# Altium PCB RFMC.PcbDoc (part 3 of 5)
Units mm, origin at the board's own origin, x right, y up, seen from the top; angles counter-clockwise.
Board outline 79.47 x 143.38 mm, 8 copper layers (Top Layer, Layer 1, Layer 2, Layer 3, Layer 4, Layer 5, Layer 6, Bottom Layer), stack 1.644 mm thick; 295 components, 245 nets, 1444 pads, 1952 vias.
Unrouted connection lines stored in the file: 1.
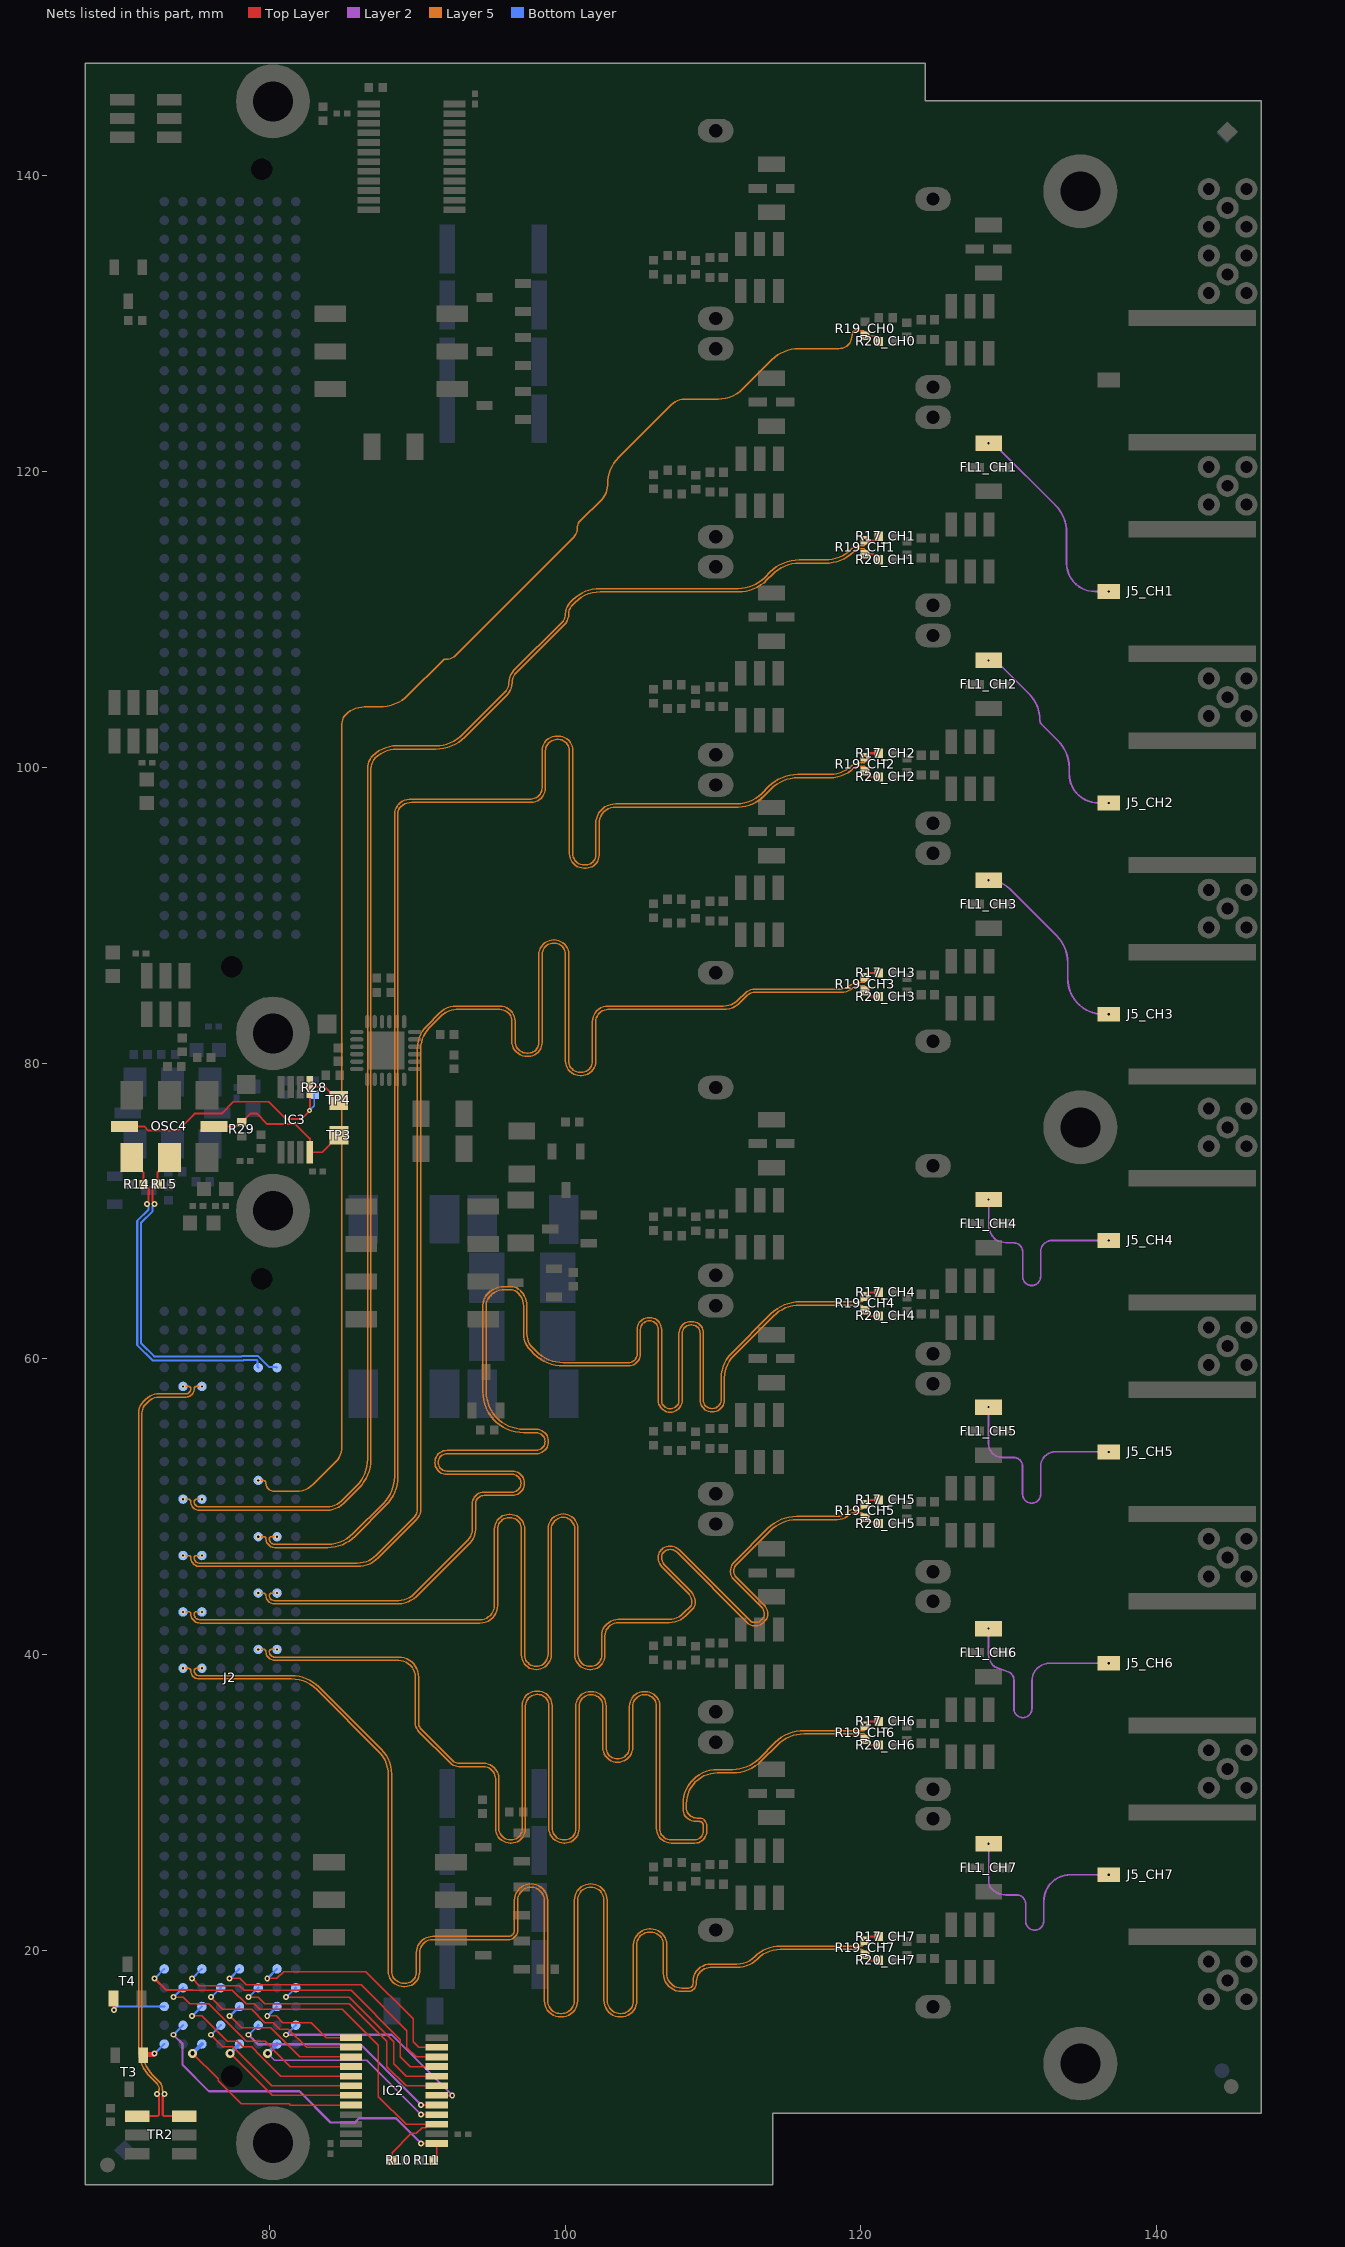
[diagram p9: the nets of this part, all layers, seen from the top]

## Via types
v1: diameter 0.48, hole 0.25, Top Layer to Bottom Layer, tented both sides, 1389 vias
v2: diameter 0.6, hole 0.3, Top Layer to Bottom Layer, tented both sides, 219 vias
v3: diameter 0.5, hole 0.2, Top Layer to Bottom Layer, tented both sides, 162 vias
v4: diameter 0.35, hole 0.15, Top Layer to Bottom Layer, tented both sides, 106 vias
v5: diameter 0.4, hole 0.2, Top Layer to Bottom Layer, tented both sides, 67 vias
v6: diameter 0.5, hole 0.25, Top Layer to Bottom Layer, tented both sides, 9 vias

## Nets (pads, with @x,y where several pads share a name; then routed paths per layer and width w, separated by ;. In a path a pad name is that pad's centre, name@x,y a point inside that pad or via, vN(x,y) a via of type N, cw(c..) or ccw(c..) an arc to the next point about the centre after c; other vN are vias at no path point) (continued)
DAC_CH0_P: J2.c10 R19_CH0.1 R20_CH0.1 | length 105.1
  Top Layer w0.14: v4(120.275,129.155) 120.925,129.155 120.99,129.09 121.01,129.09 121.23,128.87 R20_CH0.1@121.23,128.85
  Layer 5 w0.093: v4(79.262,51.796) 79.59,51.796 cw(c79.59,51.6) 79.786,51.6 ccw(c80.334,51.6) 80.334,51.052 81.826,51.052 ccw(c81.826,52.661) 82.964,51.523 84.506,53.065 ccw(c83.498,54.073) 84.923,54.073 84.923,102.942 cw(c85.783,102.942) 85.175,103.55 cw(c86.442,102.283) 86.442,104.075 87.447,104.075 ccw(c87.447,106.836) 89.399,104.884 91.72,107.205 cw(c91.95,106.975) 91.95,107.3 91.952,107.3 ccw(c91.952,108.238) 92.615,107.575 100.583,115.542 ccw(c100.002,116.123) 100.823,116.123 100.823,116.125 cw(c101.603,116.125) 101.051,116.676 102.467,118.092 ccw(c101.485,119.073) 102.873,119.073 102.873,119.146 cw(c105.413,119.146) 103.617,120.942 107.179,124.504 cw(c108.075,123.608) 108.075,124.875 110.34,124.875 ccw(c110.34,127.229) 112.005,125.564 113.985,127.545 cw(c115.781,125.749) 115.781,128.288 118.488,128.288 ccw(c118.488,129.2) 119.4,129.2 cw(c119.713,129.2) 119.713,129.513 120.075,129.513 cw(c120.075,129.313) 120.275,129.313 v4(120.275,129.155)
DAC_CH1: FL1_CH1.3 J5_CH1.1 | length 14.3
  Layer 2 w0.118: v4(128.63,121.89) cw(c128.63,121.117) 129.176,121.664 133.156,117.684 cw(c131.36,115.888) 133.9,115.888 133.9,113.781 ccw(c135.806,113.781) 135.806,111.875 v4(136.75,111.875)
DAC_CH1_N: J2.f11 R17_CH1.1 R19_CH1.2 | length 102.6
  Top Layer w0.14: v4(120.28,115.335) 120.908,115.335 120.948,115.375 120.99,115.375 121.21,115.595 R17_CH1.1@121.21,115.615
  Layer 5 w0.093: v4(75.452,50.526) 75.105,50.526 ccw(c75.105,50.35) 74.929,50.35 ccw(c75.279,50.35) 75.279,50 83.909,50 ccw(c83.909,51.366) 84.875,50.4 85.906,51.431 ccw(c84.11,53.227) 86.65,53.227 86.65,99.897 cw(c87.902,99.897) 87.017,100.782 87.018,100.783 cw(c88.623,99.179) 88.623,101.448 91.271,101.448 ccw(c91.271,103.988) 93.067,102.192 95.935,105.06 ccw(c95.295,105.7) 96.2,105.7 96.2,105.702 cw(c97.38,105.702) 96.545,106.536 99.788,109.779 ccw(c99.217,110.35) 100.025,110.35 100.025,110.352 cw(c101.144,110.352) 100.353,111.143 100.52,111.311 cw(c102.361,109.47) 102.361,112.073 111.696,112.073 ccw(c111.696,114.613) 113.492,112.817 113.873,113.198 cw(c115.825,111.246) 115.825,114.006 117.589,114.006 ccw(c117.589,116.486) 119.342,114.733 119.418,114.809 cw(c119.824,114.403) 119.824,114.977 120.187,114.977 ccw(c120.187,115.07) 120.253,115.004 ccw(c120.187,115.07) 120.28,115.07 v4(120.28,115.335)
DAC_CH1_P: J2.g11 R19_CH1.1 R20_CH1.1 | length 103
  Top Layer w0.14: v4(120.28,114.395) 120.83,114.395 120.97,114.255 120.99,114.255 121.21,114.035 R20_CH1.1@121.21,114.015
  Layer 5 w0.093: v4(74.182,50.526) 74.53,50.526 cw(c74.53,50.35) 74.706,50.35 ccw(c75.279,50.35) 75.279,49.777 83.913,49.777 ccw(c83.913,51.357) 85.03,50.24 86.064,51.274 ccw(c84.112,53.226) 86.873,53.226 86.873,99.896 cw(c87.904,99.896) 87.175,100.625 cw(c88.624,99.176) 88.624,101.225 91.272,101.225 ccw(c91.272,103.986) 93.224,102.034 96.093,104.903 ccw(c95.297,105.699) 96.423,105.699 cw(c97.384,105.7) 96.704,106.379 99.948,109.623 ccw(c99.223,110.347) 100.248,110.347 100.248,110.35 cw(c101.149,110.35) 100.512,110.987 100.675,111.15 cw(c102.365,109.46) 102.365,111.85 111.697,111.85 ccw(c111.697,114.611) 113.649,112.659 114.03,113.04 cw(c115.826,111.243) 115.826,113.783 117.59,113.783 ccw(c117.59,116.483) 119.499,114.574 119.575,114.65 cw(c119.825,114.4) 119.825,114.754 120.187,114.754 cw(c120.187,114.661) 120.253,114.726 cw(c120.187,114.661) 120.28,114.661 v4(120.28,114.395)
DAC_CH2: FL1_CH2.3 J5_CH2.1 | length 13.7
  Layer 2 w0.118: v4(128.63,107.215) cw(c128.63,106.044) 129.458,106.872 131.346,104.984 cw(c129.55,103.188) 132.09,103.188 ccw(c132.519,103.188) 132.216,102.884 133.331,101.769 cw(c131.535,99.973) 134.075,99.973 134.075,99.563 ccw(c136.053,99.563) 135.122,97.818 ccw(c136.053,99.563) 136.053,97.585 v4(136.75,97.585)
DAC_CH2_N: J2.b13 R17_CH2.1 R19_CH2.2 | length 105.6
  Top Layer w0.14: v4(120.28,100.66) 120.3,100.66 120.58,100.94 R17_CH2.1@121.21,100.94
  Layer 5 w0.093: v4(80.532,47.986) 80.145,47.986 ccw(c80.145,47.85) 80.009,47.85 ccw(c80.384,47.85) 80.384,47.475 83.95,47.475 ccw(c83.95,49.889) 85.657,48.182 87.731,50.256 ccw(c85.935,52.052) 88.475,52.052 88.475,96.84 cw(c89.382,96.84) 88.741,97.481 88.743,97.483 cw(c89.623,96.603) 89.623,97.848 97.698,97.848 ccw(c97.698,98.6) 98.45,98.6 98.45,101.098 cw(c99.45,101.098) 99.45,102.098 99.55,102.098 cw(c99.55,101.125) 100.523,101.125 100.523,94.152 ccw(c101.275,94.152) 101.275,93.4 101.425,93.4 ccw(c101.425,94.05) 102.075,94.05 102.075,96.175 cw(c103.425,96.175) 103.425,97.525 111.621,97.525 ccw(c111.621,99.887) 113.292,98.217 113.773,98.698 cw(c115.725,96.746) 115.725,99.506 117.916,99.506 ccw(c117.916,101.559) 119.367,100.108 119.369,100.109 cw(c119.833,99.645) 119.833,100.302 120.187,100.302 ccw(c120.187,100.395) 120.253,100.329 ccw(c120.187,100.395) 120.28,100.395 v4(120.28,100.66)
DAC_CH2_P: J2.c13 R19_CH2.1 R20_CH2.1 | length 107.1
  Top Layer w0.14: R19_CH2.1@120.3,99.62 120.58,99.34 R20_CH2.1@121.21,99.34
  Layer 5 w0.093: v4(79.262,47.986) 79.65,47.986 cw(c79.65,47.85) 79.786,47.85 ccw(c80.384,47.85) 80.384,47.252 83.953,47.252 ccw(c83.953,49.882) 85.813,48.022 87.889,50.099 ccw(c85.937,52.051) 88.698,52.051 88.698,96.837 cw(c89.388,96.837) 88.9,97.325 cw(c89.624,96.601) 89.624,97.625 97.698,97.625 ccw(c97.698,98.6) 98.673,98.6 98.673,101.098 cw(c99.45,101.098) 99.45,101.875 99.55,101.875 cw(c99.55,101.125) 100.3,101.125 100.3,94.152 ccw(c101.275,94.152) 101.275,93.177 101.425,93.177 ccw(c101.425,94.05) 102.298,94.05 102.298,96.175 cw(c103.425,96.175) 103.425,97.302 111.714,97.302 ccw(c111.714,99.664) 112.453,97.421 ; 113.384,97.994 cw(c111.714,99.664) 112.453,97.421 ; 119.524,99.949 cw(c117.917,101.557) 117.917,99.283 115.726,99.283 ccw(c115.726,96.743) 113.93,98.54 113.448,98.058 cw(c111.498,100.008) 112.453,97.421 ; 119.525,99.95 cw(c119.835,99.64) 119.835,100.079 120.187,100.079 cw(c120.187,99.986) 120.253,100.051 cw(c120.187,99.986) 120.28,99.986 v4(120.28,99.72)
DAC_CH3: FL1_CH3.3 J5_CH3.1 | length 13.3
  Layer 2 w0.118: v4(128.63,92.365) cw(c128.63,90.349) 130.055,91.775 133.231,88.599 cw(c131.435,86.803) 133.975,86.803 133.975,85.717 ccw(c136.397,85.717) 136.397,83.295 v4(136.75,83.295)
DAC_CH3_N: J2.f14 R17_CH3.1 R19_CH3.2 | length 103.5
  Top Layer w0.14: v4(120.28,85.81) 120.3,85.81 120.58,86.09 R17_CH3.1@121.21,86.09
  Layer 5 w0.093: v4(75.452,46.716) 75.07,46.716 ccw(c75.07,46.575) 74.929,46.575 ccw(c75.304,46.575) 75.304,46.2 85.958,46.2 ccw(c85.958,47.992) 87.225,46.725 89.795,49.295 ccw(c89.24,49.85) 90.025,49.85 90.025,80.979 cw(c92.226,80.979) 90.67,82.535 91.512,83.378 cw(c92.648,82.242) 92.648,83.848 95.6,83.848 cw(c95.6,82.825) 96.623,82.825 96.623,81.477 ccw(c97.425,81.477) 97.425,80.675 97.525,80.675 ccw(c97.525,81.375) 98.225,81.375 98.225,87.323 cw(c99.225,87.323) 99.225,88.323 99.275,88.323 cw(c99.275,87.35) 100.248,87.35 100.248,80.152 ccw(c101.025,80.152) 101.025,79.375 101.1,79.375 ccw(c101.1,80.125) 101.85,80.125 101.85,82.798 cw(c102.9,82.798) 102.9,83.848 110.694,83.848 ccw(c110.694,85.269) 111.699,84.264 112.168,84.733 cw(c112.827,84.074) 112.827,85.007 118.696,85.007 ccw(c118.696,85.779) 119.242,85.233 ; 119.243,85.233 cw(c119.77,84.707) 119.77,85.452 120.187,85.452 ccw(c120.187,85.544) 120.253,85.479 ccw(c120.187,85.544) 120.28,85.544 v4(120.28,85.81)
DAC_CH3_P: J2.g14 R19_CH3.1 R20_CH3.1 | length 103.8
  Top Layer w0.14: R19_CH3.1@120.3,84.77 120.58,84.49 R20_CH3.1@121.21,84.49
  Layer 5 w0.093: v4(74.182,46.716) 74.565,46.716 cw(c74.565,46.575) 74.706,46.575 ccw(c75.304,46.575) 75.304,45.977 85.961,45.977 ccw(c85.961,47.983) 87.38,46.565 89.954,49.139 ccw(c89.244,49.848) 90.248,49.848 90.248,80.975 cw(c92.235,80.975) 90.83,82.38 91.668,83.218 cw(c92.65,82.237) 92.65,83.625 95.6,83.625 cw(c95.6,82.825) 96.4,82.825 96.4,81.477 ccw(c97.425,81.477) 97.425,80.452 97.525,80.452 ccw(c97.525,81.375) 98.448,81.375 98.448,87.323 cw(c99.225,87.323) 99.225,88.1 99.275,88.1 cw(c99.275,87.35) 100.025,87.35 100.025,80.152 ccw(c101.025,80.152) 101.025,79.152 101.1,79.152 ccw(c101.1,80.125) 102.073,80.125 102.073,82.798 cw(c102.9,82.798) 102.9,83.625 110.697,83.625 ccw(c110.697,85.261) 111.854,84.104 112.325,84.575 cw(c112.828,84.072) 112.828,84.784 118.697,84.784 ccw(c118.697,85.776) 119.399,85.074 ; 119.4,85.075 cw(c119.771,84.704) 119.771,85.229 120.187,85.229 cw(c120.187,85.136) 120.253,85.201 cw(c120.187,85.136) 120.28,85.136 v4(120.28,84.87)
DAC_CH4: FL1_CH4.3 J5_CH4.1 | length 15.4
  Layer 2 w0.118: v4(128.63,70.78) 128.63,69.068 ccw(c129.893,69.068) 129,68.175 ccw(c129.785,68.96) 129.246,67.989 ccw(c129.785,68.96) 129.305,67.959 129.785,67.85 130.321,67.85 cw(c130.321,67.241) 130.93,67.241 130.93,65.574 ccw(c131.539,65.574) 131.539,64.965 ccw(c131.539,65.574) 132.148,65.574 132.148,67.241 cw(c132.918,67.241) 132.918,68.011 v4(136.75,68.011)
DAC_CH4_N: J2.b16 R17_CH4.1 R19_CH4.2 | length 103.6
  Top Layer w0.14: v4(120.28,64.225) 120.3,64.225 120.58,64.505 R17_CH4.1@121.21,64.505
  Layer 5 w0.093: v4(80.532,44.176) 80.185,44.176 ccw(c80.185,44) 80.009,44 ccw(c80.334,44) 80.334,43.675 88.749,43.675 ccw(c88.749,45.126) 89.775,44.1 93.424,47.749 ccw(c92.699,48.475) 93.725,48.475 93.725,50.198 cw(c94.525,50.198) 94.525,50.998 96.423,50.998 ccw(c96.423,51.6) 97.025,51.6 ccw(c96.425,51.6) 96.425,52.2 92.002,52.2 cw(c92.002,53) 91.202,53 cw(c92.025,53) 92.025,53.823 98.048,53.823 ccw(c98.048,54.425) 98.65,54.425 ccw(c98.05,54.425) 98.05,55.025 97.213,55.025 cw(c97.213,57.788) 94.45,57.788 94.45,63.644 cw(c95.526,63.644) 94.765,64.406 94.806,64.446 cw(c95.897,63.355) 95.897,64.898 96.32,64.898 cw(c96.32,64) 96.955,64.635 97.006,64.584 cw(c96,63.578) 97.423,63.578 97.423,61.685 ccw(c98.71,61.685) 97.8,60.775 98.081,60.494 ccw(c99.877,62.29) 99.877,59.75 104.275,59.75 ccw(c104.275,60.35) 104.875,60.35 104.875,61.998 cw(c105.675,61.998) 105.675,62.798 105.725,62.798 cw(c105.725,62) 106.523,62 106.523,57.202 ccw(c107.1,57.202) 107.1,56.625 ccw(c107.1,57.225) 107.7,57.225 107.7,61.723 cw(c108.5,61.723) 108.5,62.523 108.575,62.523 cw(c108.575,61.75) 109.348,61.75 109.348,57.225 ccw(c109.923,57.225) 109.923,56.65 109.95,56.65 ccw(c109.95,57.25) 110.55,57.25 110.55,58.729 cw(c112.871,58.729) 111.23,60.37 113.918,63.058 cw(c115.87,61.106) 115.87,63.866 119.922,63.866 ccw(c119.922,64.225) v4(120.28,64.225)
DAC_CH4_P: J2.c16 R19_CH4.1 R20_CH4.1 | length 104
  Top Layer w0.14: R19_CH4.1@120.28,63.185 120.3,63.185 120.58,62.905 R20_CH4.1@121.21,62.905
  Layer 5 w0.093: v4(79.262,44.176) 79.61,44.176 cw(c79.61,44) 79.786,44 ccw(c80.334,44) 80.334,43.452 88.75,43.452 ccw(c88.75,45.124) 89.932,43.942 93.584,47.593 ccw(c92.704,48.473) 93.948,48.473 93.948,50.198 cw(c94.525,50.198) 94.525,50.775 96.423,50.775 ccw(c96.423,51.6) 97.248,51.6 ccw(c96.425,51.6) 96.425,52.423 92.002,52.423 cw(c92.002,53) 91.425,53 cw(c92.025,53) 92.025,53.6 98.048,53.6 ccw(c98.048,54.425) 98.873,54.425 ccw(c98.05,54.425) 98.05,55.248 97.213,55.248 cw(c97.213,57.788) 94.673,57.788 94.673,63.642 cw(c95.533,63.642) 94.925,64.25 94.961,64.286 cw(c95.9,63.347) 95.9,64.675 96.317,64.675 cw(c96.317,63.992) 96.8,64.475 96.846,64.429 cw(c95.993,63.575) 97.2,63.575 97.2,61.685 ccw(c98.709,61.685) 97.642,60.618 97.924,60.336 ccw(c99.876,62.288) 99.876,59.527 104.275,59.527 ccw(c104.275,60.35) 105.098,60.35 105.098,61.998 cw(c105.675,61.998) 105.675,62.575 105.725,62.575 cw(c105.725,62) 106.3,62 106.3,57.202 ccw(c107.1,57.202) 107.1,56.402 ccw(c107.1,57.225) 107.923,57.225 107.923,61.723 cw(c108.5,61.723) 108.5,62.3 108.575,62.3 cw(c108.575,61.75) 109.125,61.75 109.125,57.225 ccw(c109.923,57.225) 109.923,56.427 109.95,56.427 ccw(c109.95,57.25) 110.773,57.25 110.773,58.725 cw(c112.881,58.725) 111.39,60.215 114.075,62.9 cw(c115.871,61.103) 115.871,63.643 119.922,63.643 cw(c119.922,63.285) v4(120.28,63.285)
DAC_CH5: FL1_CH5.3 J5_CH5.1 | length 16.5
  Layer 2 w0.118: v4(128.625,56.75) 128.625,54.275 ccw(c129.555,54.275) 129.555,53.345 129.589,53.345 130.318,53.345 cw(c130.318,52.736) 130.927,52.736 130.927,50.866 ccw(c131.536,50.866) 131.536,50.257 ccw(c131.536,50.866) 132.145,50.866 132.145,52.736 cw(c133.13,52.736) 133.13,53.721 v4(136.75,53.721)
DAC_CH5_N: J2.f17 R17_CH5.1 R19_CH5.2 | length 101.9
  Top Layer w0.14: R19_CH5.2@120.275,50.395 R19_CH5.2@120.295,50.395 ; R19_CH5.2@120.295,50.195 120.575,50.475 R17_CH5.1@121.205,50.475
  Layer 5 w0.093: v4(75.452,42.906) 75.06,42.906 ccw(c75.06,42.775) 74.929,42.775 ccw(c75.329,42.775) 75.329,42.375 94.25,42.375 ccw(c94.25,43.35) 95.225,43.35 95.225,48.498 cw(c96.225,48.498) 96.225,49.498 96.275,49.498 cw(c96.275,48.5) 97.273,48.5 97.273,40.002 ccw(c98.05,40.002) 98.05,39.225 ccw(c98.05,40.025) 98.85,40.025 98.85,48.498 cw(c99.875,48.498) 99.875,49.523 cw(c99.875,48.525) 100.873,48.525 100.873,40.025 ccw(c101.673,40.025) 101.673,39.225 101.725,39.225 ccw(c101.725,39.975) 102.475,39.975 102.475,41.273 cw(c103.6,41.273) 103.6,42.398 107.029,42.398 ccw(c107.029,43.771) 108,42.8 108.487,43.287 ccw(c108.273,43.5) 108.575,43.5 ccw(c107.549,43.5) 108.274,44.226 106.55,45.95 cw(c107.149,46.549) 106.302,46.549 106.302,46.589 cw(c107.035,46.589) 106.517,47.107 106.519,47.109 cw(c107.095,46.534) 107.095,47.348 107.102,47.348 cw(c107.102,46.465) 107.726,47.089 112.538,42.278 ccw(c112.725,42.465) 112.725,42.2 112.923,42.2 ccw(c112.923,42.627) 113.225,42.325 113.351,42.451 ccw(c113.053,42.75) 113.475,42.75 ccw(c112.811,42.75) 113.281,43.219 111.389,45.111 cw(c111.902,45.623) 111.177,45.623 111.177,45.627 cw(c112.12,45.627) 111.453,46.293 113.713,48.553 cw(c115.665,46.601) 115.665,49.361 118.413,49.361 ccw(c118.413,50.287) 119.067,49.633 cw(c119.558,49.143) 119.558,49.836 119.916,49.836 ccw(c119.916,50.195) v4(120.275,50.195)
DAC_CH5_P: J2.g17 R19_CH5.1 R20_CH5.1 | length 102.2
  Top Layer w0.14: v4(120.275,49.255) 120.555,48.975 R20_CH5.1@121.185,48.975
  Layer 5 w0.093: v4(74.182,42.906) 74.575,42.906 cw(c74.575,42.775) 74.706,42.775 ccw(c75.329,42.775) 75.329,42.152 94.25,42.152 ccw(c94.25,43.35) 95.448,43.35 95.448,48.498 cw(c96.225,48.498) 96.225,49.275 96.275,49.275 cw(c96.275,48.5) 97.05,48.5 97.05,40.002 ccw(c98.05,40.002) 98.05,39.002 ccw(c98.05,40.025) 99.073,40.025 99.073,48.498 cw(c99.875,48.498) 99.875,49.3 cw(c99.875,48.525) 100.65,48.525 100.65,40.025 ccw(c101.673,40.025) 101.673,39.002 101.725,39.002 ccw(c101.725,39.975) 102.698,39.975 102.698,41.273 cw(c103.6,41.273) 103.6,42.175 107.033,42.175 ccw(c107.033,43.762) 108.155,42.64 108.646,43.13 ccw(c108.278,43.498) 108.798,43.498 108.798,43.503 ccw(c107.555,43.503) 108.434,44.381 106.709,46.107 cw(c107.152,46.55) 106.525,46.55 106.525,46.588 cw(c107.037,46.588) 106.675,46.95 cw(c107.097,46.528) 107.097,47.125 107.1,47.125 cw(c107.1,46.461) 107.569,46.931 112.381,42.119 ccw(c112.724,42.461) 112.724,41.977 112.925,41.977 ccw(c112.925,42.622) 113.381,42.166 113.51,42.295 ccw(c113.057,42.748) 113.698,42.748 113.698,42.752 ccw(c112.817,42.752) 113.44,43.375 111.548,45.267 ; 111.548,45.267 cw(c111.906,45.625) 111.4,45.625 cw(c112.124,45.625) 111.612,46.137 113.87,48.395 cw(c115.666,46.598) 115.666,49.138 118.414,49.138 ccw(c118.414,50.285) 119.224,49.474 ; 119.225,49.475 cw(c119.559,49.141) 119.559,49.613 119.917,49.613 cw(c119.917,49.255) v4(120.275,49.255)
DAC_CH6: FL1_CH6.3 J5_CH6.1 | length 16
  Layer 2 w0.118: v4(128.625,41.775) 128.625,40.06 ccw(c129.735,40.06) 128.95,39.275 ccw(c129.988,40.313) 128.99,39.236 ccw(c129.988,40.313) 129.049,39.184 129.937,38.864 cw(c129.73,38.291) 130.339,38.291 130.339,36.366 ccw(c130.948,36.366) 130.948,35.757 ccw(c130.948,36.366) 131.557,36.366 131.557,38.236 cw(c132.752,38.236) 132.752,39.431 v4(136.75,39.431)
DAC_CH6_N: J2.b19 R17_CH6.1 R19_CH6.2 | length 103.3
  Top Layer w0.14: R19_CH6.2@120.275,35.22 120.295,35.22 120.575,35.5 R17_CH6.1@121.205,35.5
  Layer 5 w0.093: v4(80.532,40.366) 80.15,40.366 ccw(c80.15,40.225) 80.009,40.225 ccw(c80.384,40.225) 80.384,39.85 88.748,39.85 cw(c88.748,38.5) 90.098,38.5 90.098,35.402 ccw(c90.702,35.402) 90.275,34.975 92.398,32.852 ccw(c92.825,33.279) 92.825,32.675 94.473,32.675 cw(c94.473,31.625) 95.523,31.625 95.523,28.277 ccw(c96.3,28.277) 96.3,27.5 96.35,27.5 ccw(c96.35,28.25) 97.1,28.25 97.1,36.55 cw(c98.098,36.55) 98.098,37.548 98.15,37.548 cw(c98.15,36.575) 99.123,36.575 99.123,28.3 ccw(c99.923,28.3) 99.923,27.5 99.975,27.5 ccw(c99.975,28.25) 100.725,28.25 100.725,36.525 cw(c101.723,36.525) 101.723,37.523 101.8,37.523 cw(c101.8,36.55) 102.773,36.55 102.773,33.748 ccw(c103.554,33.748) 103.554,32.966 ccw(c103.554,33.762) 104.35,33.762 104.35,36.523 cw(c105.35,36.523) 105.35,37.523 105.425,37.523 cw(c105.425,36.55) 106.398,36.55 106.398,28.277 ccw(c107.175,28.277) 107.175,27.5 108.775,27.5 ccw(c108.775,28.075) 109.35,28.075 109.35,28.458 ccw(c109.058,28.458) 109.058,28.75 108.816,28.75 cw(c108.816,29.591) 107.975,29.591 107.975,29.925 cw(c110.3,29.925) 110.3,32.25 111.323,32.25 ccw(c111.323,34.79) 113.119,32.994 114.203,34.078 cw(c116.155,32.126) 116.155,34.887 120.182,34.887 ccw(c120.182,34.98) 120.248,34.914 ccw(c120.182,34.98) 120.275,34.98 v4(120.275,35.27)
DAC_CH6_P: J2.c19 R19_CH6.1 R20_CH6.1 | length 103.6
  Top Layer w0.14: R19_CH6.1@120.275,34.18 120.295,34.18 120.575,33.9 R20_CH6.1@121.205,33.9
  Layer 5 w0.093: v4(79.262,40.366) 79.645,40.366 cw(c79.645,40.225) 79.786,40.225 ccw(c80.384,40.225) 80.384,39.627 88.748,39.627 cw(c88.748,38.5) 89.875,38.5 89.875,35.4 ccw(c90.697,35.4) 90.116,34.819 92.242,32.693 ccw(c92.823,33.274) 92.823,32.452 94.473,32.452 cw(c94.473,31.625) 95.3,31.625 95.3,28.277 ccw(c96.3,28.277) 96.3,27.277 96.35,27.277 ccw(c96.35,28.25) 97.323,28.25 97.323,36.55 cw(c98.098,36.55) 98.098,37.325 98.15,37.325 cw(c98.15,36.575) 98.9,36.575 98.9,28.3 ccw(c99.923,28.3) 99.923,27.277 99.975,27.277 ccw(c99.975,28.25) 100.948,28.25 100.948,36.525 cw(c101.723,36.525) 101.723,37.3 101.8,37.3 cw(c101.8,36.55) 102.55,36.55 102.55,33.748 ccw(c103.554,33.748) 103.554,32.743 ccw(c103.554,33.762) 104.573,33.762 104.573,36.523 cw(c105.35,36.523) 105.35,37.3 105.425,37.3 cw(c105.425,36.55) 106.175,36.55 106.175,28.277 ccw(c107.175,28.277) 107.175,27.277 108.775,27.277 ccw(c108.775,28.075) 109.573,28.075 109.573,28.458 ccw(c109.058,28.458) 109.058,28.973 108.908,28.973 cw(c108.908,29.683) 108.198,29.683 108.198,29.925 cw(c110.3,29.925) 110.3,32.027 111.324,32.027 ccw(c111.324,34.788) 113.276,32.836 114.36,33.92 cw(c116.156,32.124) 116.156,34.664 120.182,34.664 cw(c120.182,34.571) 120.248,34.636 cw(c120.182,34.571) 120.275,34.571 v4(120.275,34.28)
DAC_CH7: FL1_CH7.3 J5_CH7.1 | length 15.7
  Layer 2 w0.118: v4(128.63,27.23) 128.63,24.741 ccw(c129.466,24.741) 128.875,24.15 ccw(c129.78,25.055) 129.78,23.775 130.524,23.775 cw(c130.524,23.166) 131.133,23.166 131.133,22.002 ccw(c131.742,22.002) 131.742,21.393 ccw(c131.742,22.002) 132.351,22.002 132.351,23.317 cw(c134.175,23.317) 134.175,25.141 v4(136.75,25.141)
DAC_CH7_N: J2.f20 R17_CH7.1 R19_CH7.2 | length 102.6
  Top Layer w0.14: v4(120.28,20.675) 120.3,20.675 120.58,20.955 R17_CH7.1@121.21,20.955
  Layer 5 w0.093: v4(75.452,39.096) 75.1,39.096 ccw(c75.1,38.925) 74.929,38.925 ccw(c75.254,38.925) 75.254,38.6 81.51,38.6 cw(c81.51,35.993) 83.354,37.836 87.572,33.618 cw(c85.88,31.926) 88.273,31.926 88.273,18.627 ccw(c89.1,18.627) 89.1,17.8 89.175,17.8 ccw(c89.175,18.575) 89.95,18.575 89.95,19.873 cw(c91.05,19.873) 90.233,20.61 cw(c91.05,19.873) 91.05,20.973 96.173,20.973 ccw(c96.173,21.375) 96.575,21.375 96.575,23.398 cw(c97.7,23.398) 97.7,24.523 cw(c97.7,23.4) 98.823,23.4 98.823,16.627 ccw(c99.7,16.627) 99.7,15.75 99.75,15.75 ccw(c99.75,16.625) 100.625,16.625 100.625,23.425 cw(c101.723,23.425) 101.723,24.523 101.75,24.523 cw(c101.75,23.425) 102.848,23.425 102.848,16.652 ccw(c103.75,16.652) 103.75,15.75 ccw(c103.75,16.625) 104.625,16.625 104.625,20.4 cw(c105.698,20.4) 105.698,21.473 105.8,21.473 cw(c105.8,20.4) 106.873,20.4 106.873,18.477 ccw(c107.875,18.477) 107.875,17.475 108.325,17.475 ccw(c108.325,17.8) 108.65,17.8 108.65,17.923 cw(c109.825,17.923) 109.825,19.098 111.613,19.098 ccw(c111.613,20.812) 112.825,19.6 112.828,19.603 cw(c114.551,17.881) 114.551,20.316 119.922,20.316 ccw(c119.922,20.675) v4(120.28,20.675)
DAC_CH7_P: J2.g20 R19_CH7.1 R20_CH7.1 | length 103
  Top Layer w0.14: R19_CH7.1@120.28,19.635 120.3,19.635 120.58,19.355 R20_CH7.1@121.21,19.355
  Layer 5 w0.093: v4(74.182,39.096) 74.535,39.096 cw(c74.535,38.925) 74.706,38.925 ccw(c75.254,38.925) 75.254,38.377 81.505,38.377 cw(c81.505,35.98) 83.2,37.675 87.412,33.463 cw(c85.873,31.923) 88.05,31.923 88.05,18.627 ccw(c89.1,18.627) 89.1,17.577 89.175,17.577 ccw(c89.175,18.575) 90.173,18.575 90.173,19.873 cw(c91.05,19.873) 90.315,20.351 cw(c91.05,19.873) 91.05,20.75 96.173,20.75 ccw(c96.173,21.375) 96.798,21.375 96.798,23.398 cw(c97.7,23.398) 97.7,24.3 cw(c97.7,23.4) 98.6,23.4 98.6,16.627 ccw(c99.7,16.627) 99.7,15.527 99.75,15.527 ccw(c99.75,16.625) 100.848,16.625 100.848,23.425 cw(c101.723,23.425) 101.723,24.3 101.75,24.3 cw(c101.75,23.425) 102.625,23.425 102.625,16.652 ccw(c103.75,16.652) 103.75,15.527 ccw(c103.75,16.625) 104.848,16.625 104.848,20.4 cw(c105.698,20.4) 105.698,21.25 105.8,21.25 cw(c105.8,20.4) 106.65,20.4 106.65,18.477 ccw(c107.875,18.477) 107.875,17.252 108.325,17.252 ccw(c108.325,17.8) 108.873,17.8 108.873,17.923 cw(c109.825,17.923) 109.825,18.875 111.614,18.875 ccw(c111.614,20.809) 112.982,19.442 ; 112.983,19.442 cw(c114.555,17.87) 114.555,20.094 119.922,20.094 cw(c119.922,19.735) v4(120.28,19.735)
DAC_OSC_I2C_SCL: IC3.5 OSC4.8 R28.1 TP4.1 | length 19.1
  Top Layer w0.127: OSC4.8@70.398,75.725 71.545,75.725 71.833,75.437 73.812,75.437 74.962,76.586 76.781,76.586 77.583,77.388 79.962,77.388 81.125,76.225 82.2,76.225 v4@82.75,76.775 ; v4@82.75,76.8 IC3.5@82.75,78.375 83.8,78.375 TP4.1@84.7,77.475
  Bottom Layer w0.127: v4(82.725,76.8) 83.05,77.125 R28.1@83.05,77.875
DAC_OSC_I2C_SDA: IC3.4 OSC4.7 R29.1 TP3.1 | length 11.5
  Top Layer w0.127: OSC4.7@76.275,75.725 77.705,75.725 77.755,75.775 77.904,75.775 77.922,75.793 R29.1@77.922,75.941 ; R29.1@78.15,75.995 78.17,75.995 78.397,76.221 78.397,76.241 78.755,76.6 79.15,76.6 79.875,75.875 81.775,75.875 82.75,74.9 IC3.4@82.75,73.975 ; IC3.4@82.912,73.288 82.75,73.45 IC3.4@82.75,73.975 ; TP3.1@84.725,75.125 83.575,73.975 IC3.4@82.75,73.975
DACIO_0: IC2.8 J2.a37 | length 14.2
  Top Layer w0.1: v5(81.141,16.863) 85.412,16.863 88.425,13.85 88.425,12.375 89.275,11.525 IC2.8@91.325,11.525
  Bottom Layer w0.15: v5@81.16,16.863 J2.a37@81.802,17.506
DACIO_1: IC2.6 J2.a39 | length 14.9
  Top Layer w0.127: IC2.6@91.325,10.225 v5(92.375,10.225)
  Layer 2 w0.15: v5(81.141,14.323) 88.277,14.323 v5(92.375,10.225)
  Bottom Layer w0.15: v5@81.16,14.323 J2.a39@81.802,14.966
DACIO_2: IC2.11 J2.b36 | length 15.6
  Top Layer w0.1: v5(79.871,18.133) 80.523,18.133 80.981,18.591 86.534,18.591 89.725,15.4 89.725,13.85 90.1,13.475 IC2.11@91.325,13.475
  Bottom Layer w0.15: v5@79.89,18.133 J2.b36@80.532,18.776
DACIO_3: IC2.13 J2.b38 | length 7.2
  Top Layer w0.1: v5(79.871,15.593) 80.482,15.593 80.924,15.151 82.849,15.151 83.875,14.125 IC2.13@85.525,14.125
  Bottom Layer w0.15: v5@79.89,15.593 J2.b38@80.532,16.236
DACIO_4: IC2.4 J2.b40 | length 14
  Top Layer w0.127: v5(90.275,8.925) IC2.4@91.325,8.925
  Layer 2 w0.127: v2(79.897,13.061) 80.361,12.597 81.359,12.597 81.362,12.6 86.6,12.6 v5(90.275,8.925)
  Bottom Layer w0.254: v2(79.897,13.061) J2.b40@80.532,13.696
DACIO_5: IC2.7 J2.c37 | length 17.1
  Top Layer w0.1: v5(78.601,16.863) 79.262,16.863 79.704,16.421 85.404,16.421 87.95,13.875 87.95,12.175 89.25,10.875 IC2.7@91.325,10.875
  Bottom Layer w0.15: v5@78.62,16.863 J2.c37@79.262,17.506
DACIO_6: IC2.5 J2.c39 | length 15.6
  Top Layer w0.127: v5(90.275,9.575) IC2.5@91.325,9.575
  Layer 2 w0.15: v5(78.601,14.323) 79.249,13.675 86.175,13.675 v5(90.275,9.575)
  Bottom Layer w0.15: v5@78.62,14.323 J2.c39@79.262,14.966
DACIO_7: IC2.10 J2.d36 | length 17.8
  Top Layer w0.1: v5(77.331,18.133) 77.999,18.133 78.441,17.691 86.209,17.691 89.3,14.6 89.3,13.45 89.925,12.825 IC2.10@91.325,12.825
  Bottom Layer w0.15: v5@77.35,18.133 J2.d36@77.992,18.776
DACIO_8: IC2.15 J2.d38 | length 10.2
  Top Layer w0.1: v5(77.331,15.593) 78.144,14.781 80.119,14.781 82.075,12.825 IC2.15@85.525,12.825
  Bottom Layer w0.15: v5@77.35,15.593 J2.d38@77.992,16.236
DACIO_9: IC2.19 J2.d40 | length 10.2
  Top Layer w0.1: v2(77.357,13.061) 80.193,10.225 IC2.19@85.525,10.225
  Bottom Layer w0.254: v2(77.357,13.061) J2.d40@77.992,13.696
DACIO_10: IC2.14 J2.e37 | length 11.8
  Top Layer w0.1: v5(76.061,16.863) 76.874,16.051 78.814,16.051 79.714,15.15 80.282,15.15 80.72,14.713 81.288,14.713 82.525,13.475 IC2.14@85.525,13.475
  Bottom Layer w0.15: v5@76.08,16.863 J2.e37@76.722,17.506
DACIO_11: IC2.18 J2.e39 | length 11.8
  Top Layer w0.1: v5(76.061,14.323) 76.874,13.511 77.544,13.511 77.807,13.247 77.807,13.244 80.177,10.875 IC2.18@85.525,10.875
  Bottom Layer w0.15: v5@76.08,14.323 J2.e39@76.722,14.966
DACIO_12: IC2.9 J2.f36 | length 20.6
  Top Layer w0.1: v5(74.791,18.133) 75.274,17.65 77.975,17.65 78.304,17.321 85.554,17.321 88.875,14 88.875,12.85 89.55,12.175 IC2.9@91.325,12.175
  Bottom Layer w0.15: v5@74.81,18.133 J2.f36@75.452,18.776
DACIO_13: IC2.17 J2.f38 | length 13.3
  Top Layer w0.1: v5(74.791,15.593) 75.459,15.593 77.171,13.881 77.831,13.881 78.201,13.511 78.814,13.511 79.447,12.878 79.447,12.874 79.711,12.611 79.714,12.611 80.8,11.525 IC2.17@85.525,11.525
  Bottom Layer w0.15: v5@74.81,15.593 J2.f38@75.452,16.236
DACIO_14: IC2.20 J2.f40 | length 13.1
  Top Layer w0.1: v2(74.817,13.061) 76.543,11.335 76.543,11.213 78.105,9.651 81.353,9.651 81.429,9.575 IC2.20@85.525,9.575
  Bottom Layer w0.254: v2(74.817,13.061) J2.f40@75.452,13.696
DACIO_15: IC2.16 J2.g37 | length 14.9
  Top Layer w0.1: v5(73.521,16.863) 74.189,16.863 74.631,16.421 75.904,16.421 78.444,13.881 79.719,13.881 80.717,12.883 80.717,12.874 80.981,12.611 80.989,12.611 81.425,12.175 IC2.16@85.525,12.175
  Bottom Layer w0.15: v5@73.54,16.863 J2.g37@74.182,17.506
DACIO_16: IC2.1 J2.g39 R11.2 | length 24
  Top Layer w0.127: v5(90.275,6.975) IC2.1@91.325,6.975 91.325,6.025 R11.2@91.125,5.825
  Layer 2 w0.15: v5(73.521,14.323) 74.15,13.694 74.15,12.275 75.925,10.5 82.05,10.5 84.15,8.4 85.8,8.4 86.075,8.675 88.575,8.675 v5(90.275,6.975)
  Bottom Layer w0.15: v5@73.54,14.323 J2.g39@74.182,14.966
DACIO_17: IC2.3 J2.h36 R10.2 | length 29.9
  Top Layer w0.1: 74.8,17.346 77.519,17.346 78.439,16.425 79,16.425 79.374,16.051 84.924,16.051 87.375,13.6 87.375,10.15 89.25,8.275 IC2.3@90.8,8.275 ; R10.2@88.305,5.825 88.305,6.355 89.6,7.65 89.95,7.65 90.35,8.05 90.575,8.05 IC2.3@90.8,8.275 ; IC2.3@91.325,8.275 IC2.3@90.8,8.275
  Top Layer w0.15: v5(72.251,18.133) 73.039,17.346 74.8,17.346
  Bottom Layer w0.15: v5@72.27,18.133 J2.h36@72.912,18.776
DACIO_18: J2.h38 T4.1 | length 4.3
  Top Layer w0.15: T4.1@69.475,16.775 69.5,16.75 v5(69.5,16)
  Bottom Layer w0.15: v5(69.5,16) 69.736,16.236 J2.h38@72.912,16.236
DACIO_19: J2.h40 T3.1 | length 1.7
  Top Layer w0.35: T3.1@71.5,12.95 71.532,12.982 72.167,12.982 72.238,13.053 v5(72.251,13.053)
  Bottom Layer w0.15: v5@72.27,13.053 J2.h40@72.912,13.696
DACLK_IN0_N: J2.b4 OSC4.5 R15.2 | length 23.1
  Top Layer w0.14: 72.121,70.662 72.121,71.001 72.126,71.006 72.126,71.503 72.209,71.585 72.235,71.585 72.455,71.805 R15.2@72.455,71.825 72.455,72.605 73.25,73.4 OSC4.5@73.25,73.625
  Bottom Layer w0.14: v5(72.238,70.475) 72.238,70.405 72.121,70.288 72.121,69.994 71.35,69.223 71.35,61.05 72.227,60.173 78.142,60.173 78.164,60.195 79.252,60.195 80.002,59.445 80.503,59.445 J2.b4@80.532,59.416
DACLK_IN0_P: J2.c4 OSC4.4 R14.2 | length 22.4
  Top Layer w0.14: OSC4.4@70.71,73.625 70.71,73.4 71.52,72.59 R14.2@71.52,71.8 71.52,71.78 71.74,71.56 71.777,71.56 71.859,71.478 71.859,71.117 71.854,71.112 71.854,70.662
  Bottom Layer w0.14: v5(71.738,70.475) 71.738,70.405 71.854,70.288 71.854,70.105 71.083,69.334 71.083,60.939 72.116,59.906 78.253,59.906 78.275,59.928 79.141,59.928 79.223,59.846 79.223,59.455 J2.c4@79.262,59.416
DACLK_IN1_N: J2.f5 TR2.4 | length 54.3
  Top Layer w0.14: 72.809,10.138 72.809,8.902 72.891,8.82 TR2.4@74.265,8.82
  Layer 5 w0.093: v5(72.925,10.325) ccw(c72.757,10.325) 72.876,10.444 cw(c73.092,10.659) 72.786,10.659 72.786,10.662 ccw(c72.082,10.662) 72.58,11.16 72.144,11.596 cw(c73.94,13.392) 71.4,13.392 71.4,56.346 cw(c72.254,56.346) 71.65,56.95 71.817,57.117 cw(c72.565,56.369) 72.565,57.427 74.381,57.427 ccw(c74.381,57.975) 74.929,57.975 cw(c75.1,57.975) 75.1,58.146 v4(75.452,58.146)
DACLK_IN1_P: J2.g5 TR2.3 | length 54.5
  Top Layer w0.14: TR2.3@71.085,8.82 72.459,8.82 72.541,8.902 72.541,10.138 72.425,10.255 v5(72.425,10.325)
  Layer 5 w0.093: v5(72.425,10.325) cw(c72.593,10.325) 72.474,10.444 ccw(c72.258,10.659) 72.563,10.659 ccw(c72.075,10.659) 72.421,11.004 71.986,11.439 cw(c73.938,13.392) 71.177,13.392 71.177,56.349 cw(c72.247,56.349) 71.49,57.106 71.661,57.277 cw(c72.562,56.376) 72.562,57.65 74.381,57.65 ccw(c74.381,57.975) 74.706,57.975 ccw(c74.535,57.975) 74.535,58.146 v4(74.182,58.146)